# Altium PCB Watch-PCB.PcbDoc
Units mm, origin at the board's own origin, x right, y up, seen from the top; angles counter-clockwise.
Board outline 23.5 x 43.81 mm, 2 copper layers (Top Layer, Bottom Layer), stack 1.569 mm thick; 47 components, 53 nets, 214 pads, 299 vias.
Unrouted connection lines stored in the file: 40.
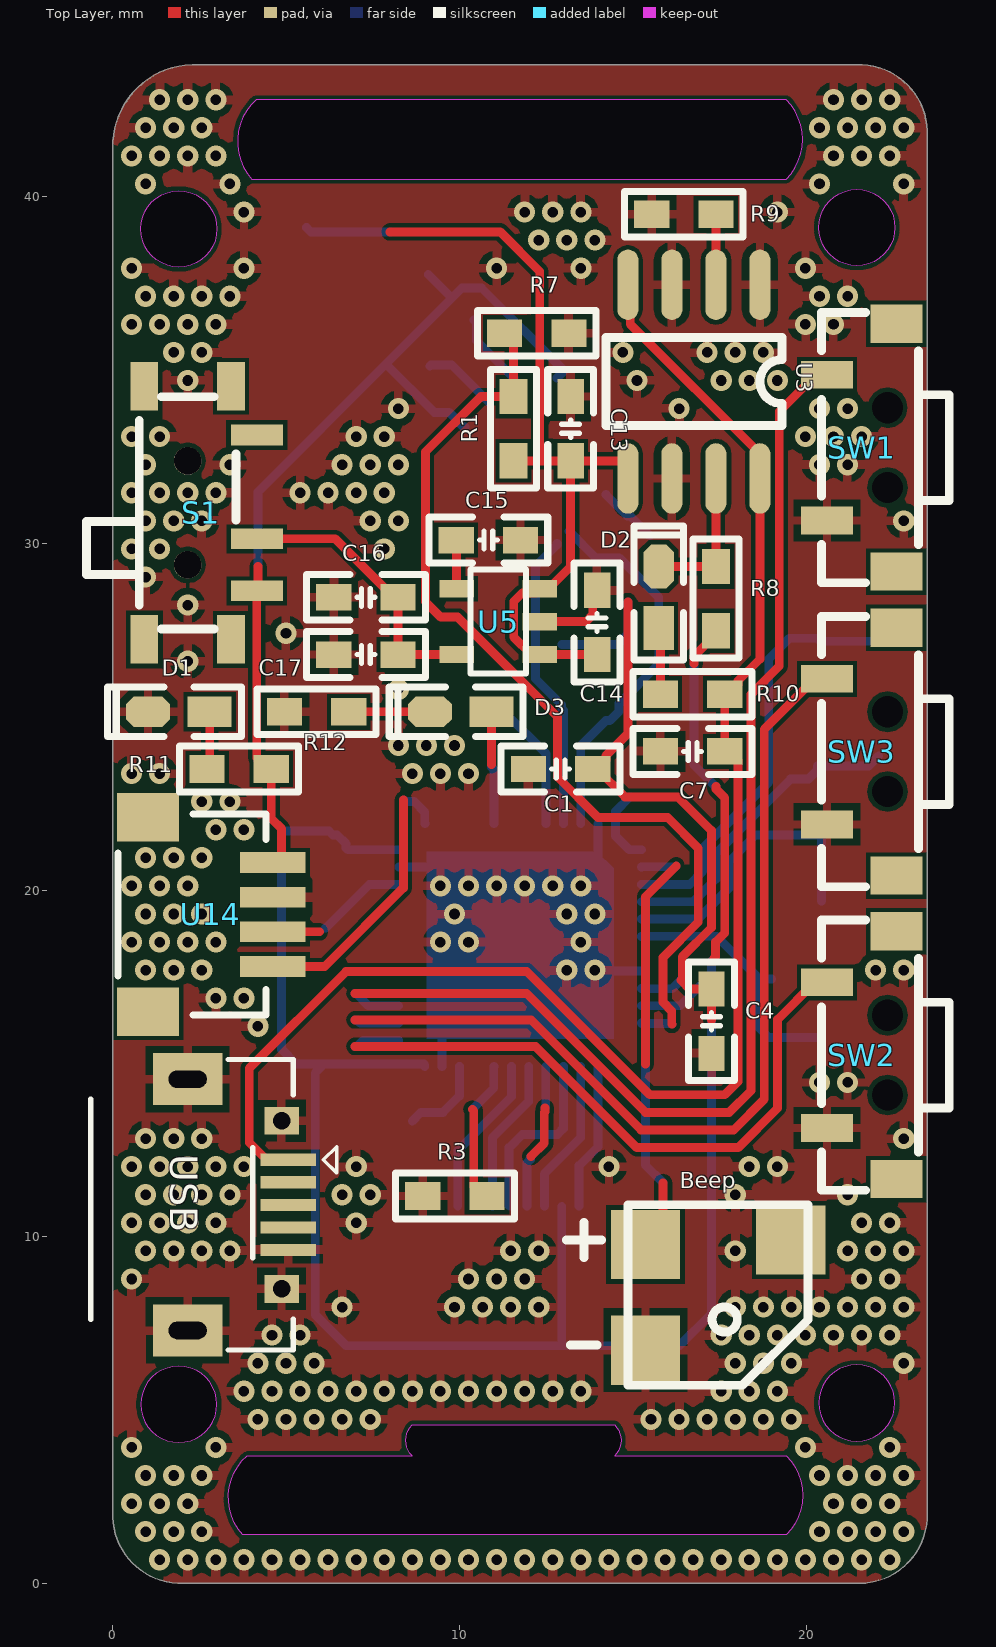
[diagram p0: Top Layer view]
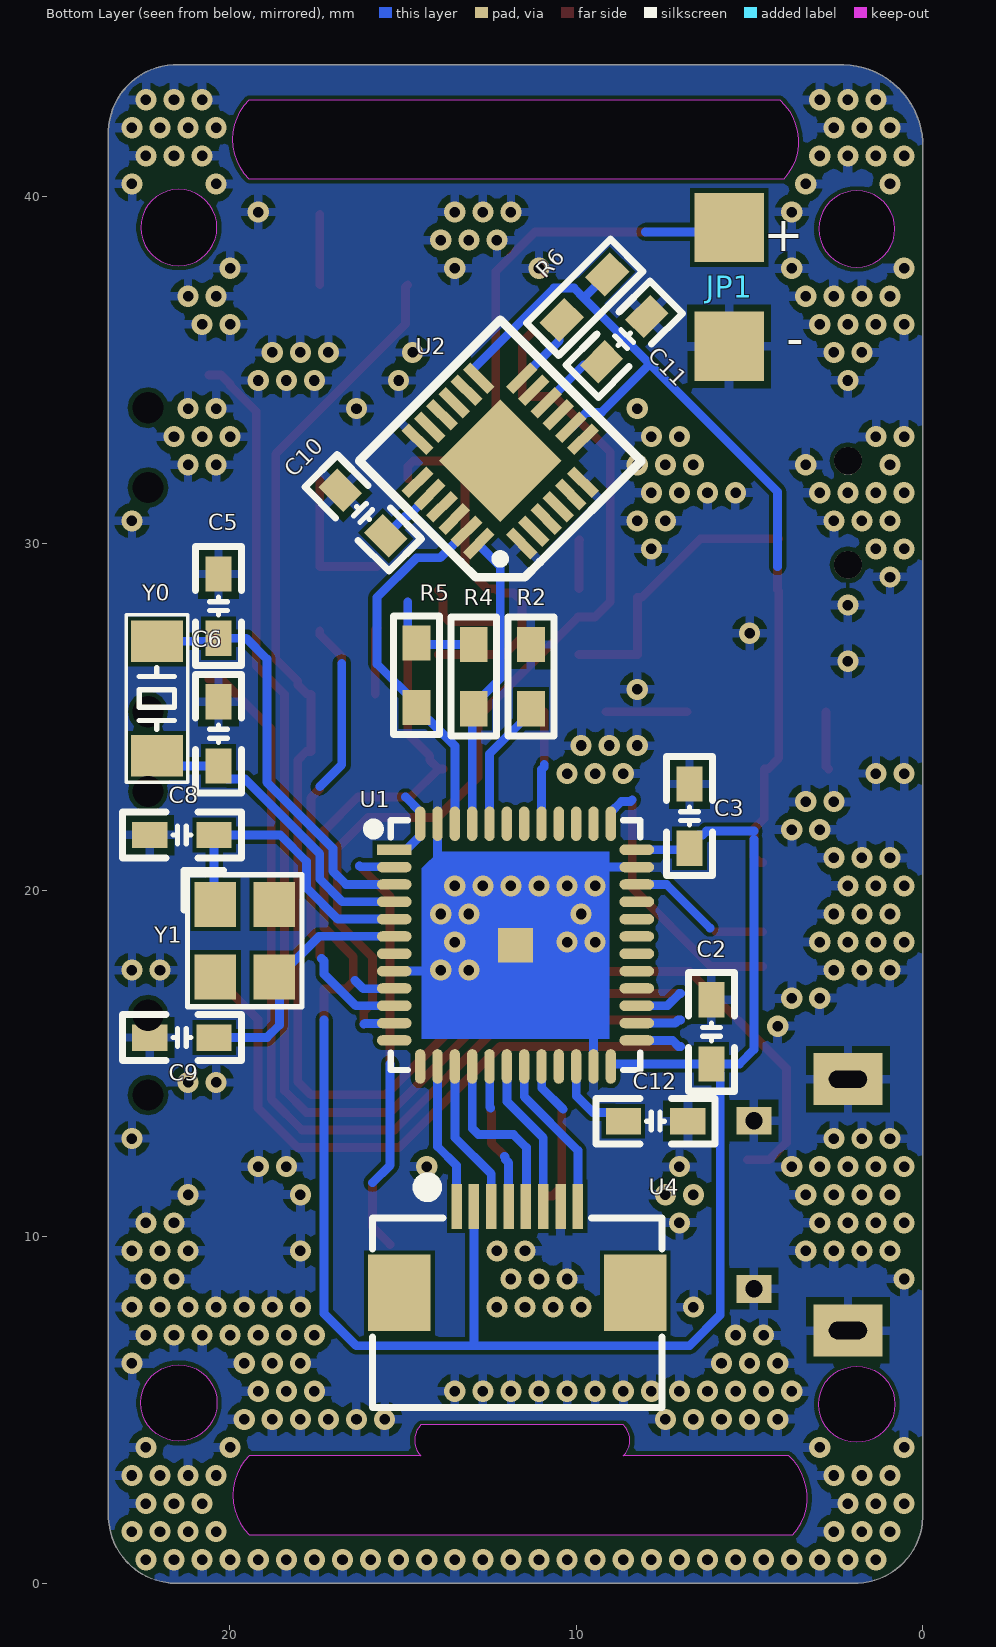
[diagram p1: Bottom Layer view, seen from below]
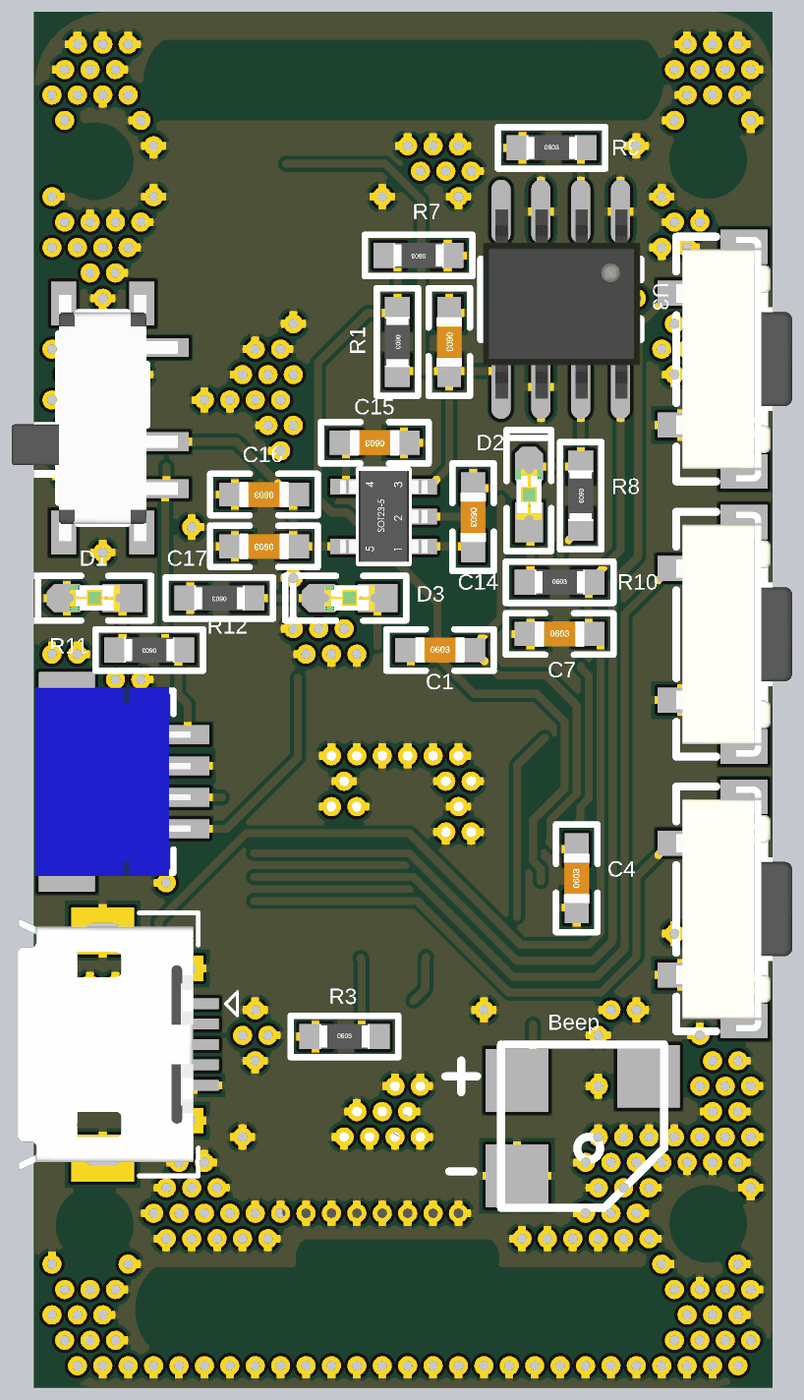
[diagram p2: 3D render of the assembled board from above, using the file's embedded part models]
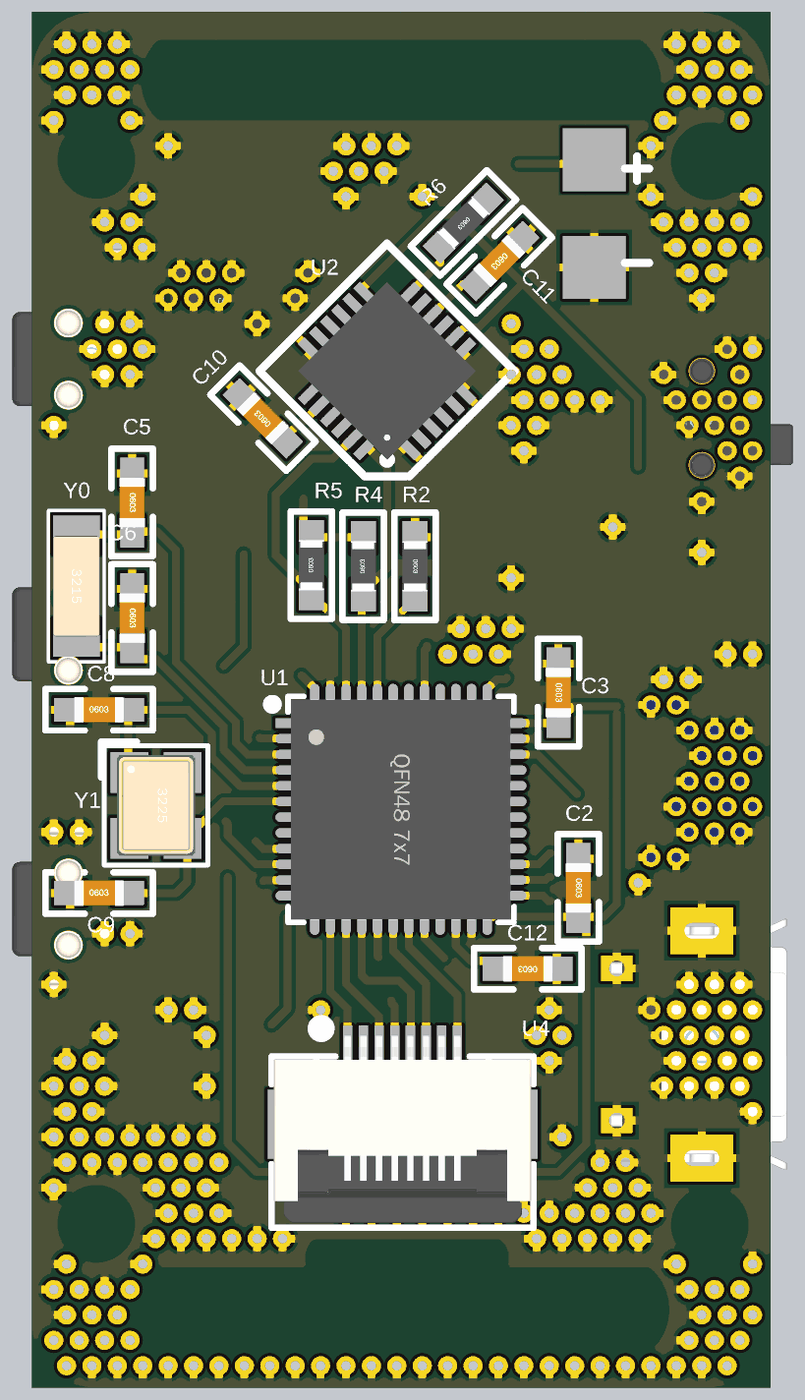
[diagram p3: 3D render of the assembled board from below, using the file's embedded part models]

## Layer stack, top to bottom
Top Solder: solder mask 0.0254, SM-001, Dk 4
Top Layer: signal copper 0.035
Dielectric 1: core 1.4986, Core-043, Dk 4.3
Bottom Layer: signal copper 0.035
Bottom Solder: solder mask 0.0254, SM-001, Dk 4

## Board outline
0,1.906 ccw(c1.968,1.97) 2.032,0.001 21.717,0.001 21.59,0.001 ccw(c21.526,1.97) 23.495,2.033 23.495,41.911 ccw(c21.526,41.848) 21.463,43.816 2.286,43.816 ccw(c2.349,41.467) 0,41.403
cut-out: 20.363,5.207 ccw(c21.463,5.207) 21.463,4.107 ccw(c21.463,5.207) 22.563,5.207 ccw(c21.463,5.207) 21.463,6.307 ccw(c21.463,5.207)
cut-out: 0.805,5.167 ccw(c1.905,5.167) 1.905,4.067 ccw(c1.905,5.167) 3.005,5.167 ccw(c1.905,5.167) 1.905,6.267 ccw(c1.905,5.167)
cut-out: 21.463,38.016 cw(c21.463,39.116) 20.363,39.116 cw(c21.463,39.116) 21.463,40.216 cw(c21.463,39.116) 22.563,39.116 cw(c21.463,39.116)
cut-out: 1.905,37.976 cw(c1.905,39.076) 0.805,39.076 cw(c1.905,39.076) 1.905,40.176 cw(c1.905,39.076) 3.005,39.076 cw(c1.905,39.076)
cut-out: 3.747,1.398 cw(c4.953,2.477) 3.874,3.684 8.636,3.683 cw(c9.081,4.127) 8.636,4.572 14.478,4.572 cw(c14.034,4.128) 14.478,3.683 19.431,3.684 cw(c18.288,2.541) 19.431,1.398
cut-out: 4.008,40.514 19.431,40.514 ccw(c18.288,41.657) 19.431,42.8 4.135,42.8 ccw(c5.214,41.594)

## Design rules (kind name [scope] priority, off if disabled: settings)
Clearance [All] p1: gap=0.127 ignorepadtopadclearanceinfootprint=FALSE
Height [All] p1: minheight=0 maxheight=1817.048 prefheight=12.7
PolygonConnect [All] p1: connectstyle=Relief reliefconductorwidth=0.254 reliefentries=4 polygonreliefangle="90 Angle" airgapwidth=0.204
RoutingVias [All] p1: holewidth=0.711 width=1.27 viastyle="Through Hole" minholewidth=0.711 minwidth=1.27 maxholewidth=0.711 maxwidth=1.27
SolderMaskExpansion [All] p1: expansion=0.102 istentingtop=FALSE
Width [All] p1: maxlimit=10 minlimit=0.254 preferedwidth=0.254 minimp=50.000000 maximp=50.000000 favimp=50.000000
29 further rules are at their usual default settings.

## Classes and differential pairs
component class Watch-Sheet: Beep C1 C2 C3 C4 C5 C6 C7 C8 C9 C10 C11 C12 C13 C14 C15 C16 C17 D1 D2 D3 JP1 R1 R2 R3 R4 R5 R6 R7 R8 R9 R10 R11 R12 S1 SW1 SW2 SW3

## Components (designator, comment, footprint, x,y, rotation, side; value= is the part's Value field where it differs from the comment)
Beep "2PIN" 5020beep 2.921,6.496 r180 top
C1 "100NF" "C 0603_M" 12.916,23.495 r0 top
C2 "100NF" "C 0603_M" 6.096,15.913 r270 bottom
C3 "100NF" "C 0603_M" 6.731,22.136 r270 bottom
C4 "100NF" "C 0603_M" 17.272,16.218 r90 top
C5 "22PF" "C 0603_M" 20.32,28.194 r270 bottom
C6 "22PF" "C 0603_M" 20.32,24.511 r270 bottom
C7 "10UF" "C 0603_M" 16.726,24.003 r0 top
C8 "22PF" "C 0603_M" 21.374,21.59 r180 bottom
C9 "22PF" "C 0603_M" 21.374,15.748 r180 bottom
C10 "2.2nf" "C 0603_M" 16.15,30.882 r45 bottom
C11 "0.1uF" "C 0603_M" 8.615,35.895 r315 bottom
C12 "Cap Chip 0603" "C 0603_M" 7.709,13.335 r0 bottom value=4.7uf
C13 "10UF" "C 0603_M" 13.208,33.312 r270 top
C14 "105" "C 0603_M" 13.97,27.724 r270 top
C15 "22nF" "C 0603_M" 10.833,30.099 r180 top
C16 "104" "C 0603_M" 7.302,28.448 r180 top
C17 "105" "C 0603_M" 7.302,26.797 r180 top
D1 "红色" "LED 0603R" 1.905,25.153 r180 top
D2 "绿色" "LED 0603R" 15.755,28.448 r90 top
D3 "红色" "LED 0603R" 10.033,25.153 r180 top
JP1 "2PIN" 2PIN -1.143,32.004 r270 top
R1 "10k" "R 0603_M" 11.557,33.312 r270 top
R2 "10K" "R 0603_M" 11.303,26.162 r270 bottom
R3 "10K" "R 0603_M" 9.868,11.176 r0 top
R4 "10k" "R 0603_M" 12.954,26.162 r90 bottom
R5 "10k" "R 0603_M" 14.605,26.2 r90 bottom
R6 "10K" "R 0603_M" 9.758,37.105 r315 bottom
R7 "10k" "R 0603_M" 12.23,36.068 r180 top
R8 "1K" "R 0603_M" 17.399,28.41 r270 top
R9 "1.2K" "R 0603_M" 16.472,39.497 r0 top
R10 "4.7K" "R 0603_M" 16.726,25.654 r0 top
R11 "1K" "R 0603_M" 3.645,23.495 r180 top
R12 "1K" "R 0603_M" 5.88,25.146 r180 top
S1 "MTS-10x" MSK-12C01-07 2.159,30.885 r270 top
SW1 "3x6x5" "TSW 3*6*4.3-S-W" 22.352,32.766 r90 top
SW2 "3x6x5" "TSW 3*6*4.3-S-W" 22.352,15.24 r90 top
SW3 "3x6x5" "TSW 3*6*4.3-S-W" 22.352,23.996 r90 top
U1 "STM32F411CEU6" "QFN48 7X7_M" 11.75,18.415 r270 bottom
U2 "MPU6050" QFN24 12.192,32.385 r45 bottom
U3 "TP4056" SOP8 18.694,37.44 r270 top
U4 "LCD" "FPC0.5 2H-WS-8P" 11.7,8.382 r180 bottom
U5 "RT9193" SOT23-5 12.319,26.797 r90 top
U14 "JLink" JLink -2.657,15.94 r0 top
Y0 "XTAL 3215 32.768kKHz" "OSC 3215-2P" 22.098,25.528 r270 bottom
Y1 "XTAL 3225 8M" "OSC 3225-4P" 19.558,18.542 r270 bottom
? "Micro USB" USB-micro_A 2.159,10.922 r270 top

## Footprints (in the part's own frame and the unit in brackets; to place one, negate y for a bottom-side part, rotate by r counter-clockwise, add the part's x,y. Pads: shape width x height; smd on the part's side, far side on the other; paste and mask are expansions set on the pad)
2PIN [mm]
  rect 2x2 smd far side: 1(-3.683,6.731) 2(-7.112,6.731)
5020beep [mm] "5020beep"
  rect 2x2 smd: 1(-12.446,-0.235) 2(-12.446,-3.283) " "(-16.637,-3.41)
  silkscreen extent -17.14,-4.43 -10.16,0.78, body extent -17.15,-4.36 -11.94,0.72, height 2.01
"C 0603_M" [mil] "无极性贴片电容"
  rect 40x30 smd: 1(-36.5,0) 2(36.5,0)
  silkscreen extent -68,-26 68,26, body extent -31,-16 31,16, height 32
"FPC0.5 2H-WS-8P" [mm] "长：8.2mm，宽：5.2mm，高：2mm"
  rect 1.8x2.2 smd: 0(-3.4,0) 0(3.4,0)
  rect 0.3x1.3 smd: 1(-1.75,2.497) 2(-1.25,2.497) 3(-0.75,2.497) 4(-0.25,2.497) 5(0.25,2.497) 6(0.75,2.497) 7(1.25,2.497) 8(1.75,2.497)
  silkscreen extent -4.18,-3.3 4.17,3.23, body extent -4.1,-3.15 4.1,2.85, height 2
JLink [mm]
  rect 1.8x1.4 smd: 0(3.673,0.558) 0(3.673,6.158)
  rect 1.9x0.6 smd: 1(7.273,4.858) 2(7.273,3.858) 3(7.273,2.858) 4(7.273,1.858)
  silkscreen extent 2.81,0.46 7.07,6.26, body extent 2.68,0.36 7.63,6.36, height 2.96
"LED 0603R" [mil] "红色0603LED"
  rect 50x35 smd: 1(-35,0.26)
  oct 50x35 smd: 2(35,0.26)
  silkscreen extent -71,-28 81,28, body extent -31,-16 31,16, height 18
MSK-12C01-07 [mm] "6.7*2.8*1.5mm(长宽高）"
  rect 1.4x0.8 smd: 0(-3.65,-1.25) 0(-3.65,1.25) 0(3.65,-1.25) 0(3.65,1.25)
  rect 0.6x1.5 smd: 1(-2.25,1.996) 2(0.75,1.996) 3(2.25,1.996)
  round 0.8 hole 0.8: " "(-1.5,0) " "(1.5,0)
  silkscreen extent -3.35,-2.92 3.35,1.4, body extent -3.92,-2.9 3.92,2.4, height 1.5
"OSC 3215-2P" [mm] "3.2*1.5*0.6mm(长宽高)"
  rect 1.2x1.5 smd: 1(-1.65,0) 2(1.65,0)
  silkscreen extent -2.41,-0.89 2.41,0.89, body extent -1.6,-0.75 1.6,0.75, height 0.61
"OSC 3225-4P" [mm] "3.2*2.5*0.7mm(长宽高)"
  rect 1.3x1.2 smd: 1(-1.05,-0.85) 2(1.05,-0.85) 3(1.05,0.85) 4(-1.05,0.85)
  silkscreen extent -2.03,-1.75 1.9,1.65, body extent -1.6,-1.25 1.6,1.25, height 0.7
QFN24 [mm] "4mm*4mm（蒜米工坊）"
  rect 1x0.3 smd: 1(-2.125,1.25) 2(-2.125,0.75) 3(-2.125,0.25) 4(-2.125,-0.25) 5(-2.125,-0.75) 6(-2.125,-1.25) 13(2.125,-1.25) 14(2.125,-0.75) 15(2.125,-0.25) 16(2.125,0.25) 17(2.125,0.75) 18(2.125,1.25)
  rect 0.3x1 smd: 7(-1.25,-2.125) 8(-0.75,-2.125) 9(-0.25,-2.125) 10(0.25,-2.125) 11(0.75,-2.125) 12(1.25,-2.125) 19(1.25,2.125) 20(0.75,2.125) 21(0.25,2.125) 22(-0.25,2.125) 23(-0.75,2.125) 24(-1.25,2.125)
  rect 2.5x2.5 smd: 25(0,0)
  silkscreen extent -2.88,-2.88 2.88,2.88, body extent -2,-2 2,2, height 0.9
"QFN48 7X7_M" [mm] "48脚，长x宽x高：7x7x1mm，脚距：0.5mm"
  rect 0.3x1 smd: 1(-2.75,-3.5)
  oval 0.3x1 smd: 2(-2.25,-3.5) 3(-1.75,-3.5) 4(-1.25,-3.5) 5(-0.75,-3.5) 6(-0.25,-3.5) 7(0.25,-3.5) 8(0.75,-3.5) 9(1.25,-3.5) 10(1.75,-3.5) 11(2.25,-3.5) 12(2.75,-3.5) 25(2.75,3.5) 26(2.25,3.5) 27(1.75,3.5) 28(1.25,3.5) 29(0.75,3.5) 30(0.25,3.5) 31(-0.25,3.5) 32(-0.75,3.5) 33(-1.25,3.5) 34(-1.75,3.5) 35(-2.25,3.5) 36(-2.75,3.5)
  oval 1x0.3 smd: 13(3.5,-2.75) 14(3.5,-2.25) 15(3.5,-1.75) 16(3.5,-1.25) 17(3.5,-0.75) 18(3.5,-0.25) 19(3.5,0.25) 20(3.5,0.75) 21(3.5,1.25) 22(3.5,1.75) 23(3.5,2.25) 24(3.5,2.75) 37(-3.5,2.75) 38(-3.5,2.25) 39(-3.5,1.75) 40(-3.5,1.25) 41(-3.5,0.75) 42(-3.5,0.25) 43(-3.5,-0.25) 44(-3.5,-0.75) 45(-3.5,-1.25) 46(-3.5,-1.75) 47(-3.5,-2.25) 48(-3.5,-2.75)
  rect 1x1 smd: 49(0,0)
  Top Layer region: -2.7,2.7 2.7,2.7 2.7,-2.7 -2.214,-2.7 -2.7,-2.214
  silkscreen extent -3.6,-4.25 3.6,3.6, body extent -3.51,-3.51 3.51,3.51, height 0.95
"R 0603_M" [mil] "1/10W贴片电阻"
  rect 40x31.5 smd: 1(-36.5,0) 2(36.5,0)
  silkscreen extent -68,-26 68,26, body extent -31,-16 31,16, height 16
SOP8 [mil] "（蒜米工坊）"
  oval 80x24 smd: 1(-1,-1) 2(-1,-51) 3(-1,-101) 4(-1,-151) 5(219,-151) 6(219,-101) 7(219,-51) 8(219,-1)
  silkscreen extent 59,-176 159,24, body extent -4,-174 234,24, height 63
SOT23-5 [mm]
  rect 0.5x1 smd: 1(0,0) 2(0.95,0) 3(1.9,0) 4(1.9,2.4) 5(0,2.4)
  silkscreen extent -0.55,0.4 2.45,2, body extent -0.5,-0.2 2.4,2.6, height 1.09
"TSW 3*6*4.3-S-W" [mm] "侧立贴片3*6*4.3"
  rect 1.1x1.5 smd: 0(-3.575,-0.25) 0(3.575,-0.25)
  round 0 hole 0.9: 0(-1.15,0) 0(1.15,0)
  rect 0.8x1.5 smd: 1(2.1,1.75) 2(-2.1,1.75)
  silkscreen extent -3.9,-1.78 3.9,1.91, body extent -3.9,-1.79 3.9,1.91, height 3.51
USB-micro_A [mm] "micro型USB ，5.7*7.8*2.5mm"
  rect 0.35x1.6 smd: 1(-1.3,2.9) 2(-0.65,2.9) 3(0,2.9) 4(0.65,2.9) 5(1.3,2.9)
  rect 1.5x2 hole 0.5 slot 1.1 at 90 deg: 5(-3.625,0) 5(3.625,0)
  rect 0.8x1 hole 0.5: 5(-2.425,2.71) 5(2.425,2.71)
  silkscreen extent -4.19,-2.79 4.19,4.3, body extent -4,-2.71 4,2.89, height 2.8

## Part data
C1 C2 C3 C4 C5 C6 C7 C8 C9 C13 C14 C15 C16 C17: library part "0402 CAP"
C10 C11: library part C, "无极性贴片电容", BOM名称=无极性贴片电容, 学习资源=www.ooocke.com, 版权归属=源创客
C12: "Polarized Capacitor (Radial)", Published=8-Jun-2000, Publisher="Altium Limited", Revision="July-2002: Re-released for DXP Platform."
D1 D2 D3: library part LED-SMD, "贴片LED", BOM名称=贴片LED, 学习资源=www.ooocke.com, 版权归属=源创客
R1 R4 R5 R6 R7 R8 R9 R10 R11 R12: library part R, "贴片电阻", BOM名称=贴片电阻, 学习资源=www.ooocke.com, 版权归属=源创客
R2 R3: library part "0402 RES"
S1: "MTS10x系列3脚扭子开关", BOM名称=MTS10x系列3脚扭子开关, 学习资源=www.ooocke.com, 版权归属=源创客
SW1 SW2 SW3: library part "TSW 3x6", "3x6轻触开关", BOM名称=3x6轻触开关, 学习资源=www.ooocke.com, 版权归属=源创客
U1: library part STM32F401CCU6
U4: "屏幕接口"
U5: library part mic5205

## Via types
v1: diameter 0.61, hole 0.305, Top Layer to Bottom Layer, 299 vias

## Nets (pads, with @x,y where several pads share a name; then routed paths per layer and width w, separated by ;. In a path a pad name is that pad's centre, name@x,y a point inside that pad or via, vN(x,y) a via of type N, cw(c..) or ccw(c..) an arc to the next point about the centre after c; other vN are vias at no path point)
3V3: C1.2 C2.2 C3.2 C4.2 R4.2 R5.2 R6.1 R11.1 S1.3 U1.1 U1.9 U1.24 U1.36 U1.48 U2.8 U2.13 U4.2 U14.1 | length 96.2
  Top Layer w0.254: 4.191,29.337 4.191,28.671 S1.3 4.155,23.804 4.464,23.495 R11.1 4.572,22.067 4.87,21.77 4.87,21.703 4.87,20.971 4.697,20.798 U14.1 ; C1.2 C1.2@13.97,23.495 ; 14.859,28.321 14.859,24.511 14.224,23.876 14.224,23.749 C1.2@13.97,23.495 ; 16.391,17.399 16.645,17.145 C4.2 17.272,16.256 ; 16.43,17.438 16.43,18.081 17.272,18.923 17.272,21.717 16.303,22.686 14.921,22.686 14.779,22.686 C1.2@13.97,23.495
  Bottom Layer w0.254: 4.191,29.337 4.191,31.496 7.874,35.179 ; 4.87,21.463 4.87,15.407 5.29,14.986 C2.2 ; 4.87,21.703 6.237,21.703 6.35,21.59 6.477,21.59 6.731,21.336 C3.2 6.775,21.165 U1.36 ; U1.24 9,14.965 8.979,14.986 C2.2 ; R6.1 9.779,37.084 ; U2.8 10.127,33.357 9.702,33.782 9.271,33.782 7.874,35.179 ; U2.13 13.006,34.967 13.006,35 10.636,37.37 10.065,37.37 9.779,37.084 ; 12.95,6.858 U4.2 ; R4.2 14.567,27.089 14.859,27.381 14.859,28.321 ; 14.921,22.686 14.5,22.265 U1.48 14.5,21.565 14.9,21.165 U1.1 ; U1.9 15.259,17.156 16.14,17.156 16.383,17.399 ; 17.272,16.256 17.272,7.784 16.346,6.858 6.731,6.858 5.842,7.747 5.842,14.732 C2.2 ; 7.874,35.179 9.779,37.084
5V: ?.1 C7.2 R10.2 U3.4 U3.8 | length 45.6
  Top Layer w0.254: ?.1 4.434,12.222 3.937,12.719 3.937,14.859 6.731,17.653 11.938,17.653 15.494,14.097 17.653,14.097 18.034,14.478 18.034,23.749 17.78,24.003 C7.2 R10.2 17.761,25.654 18.034,25.927 18.034,26.035 18.669,26.67 U3.8 18.669,32.588 14.927,36.33 14.927,37.397 U3.4
BAT_CHG: R8.2 U1.10 | length 13.1
  Top Layer w0.254: 16.764,26.543 16.764,26.74 17.399,27.375 R8.2 ; 17.343,18.03 17.39,18.077 17.39,18.503 17.653,18.765 17.653,22.666 17.399,22.92 17.399,22.987
  Bottom Layer w0.254: U1.10 16.362,16.665 17.272,17.575 17.272,17.959 17.343,18.03 ; 16.764,26.543 16.764,23.622 17.399,22.987
BAT_VOL: R1.1 R7.2 U1.11 | length 27.8
  Top Layer w0.254: R7.2 11.557,35.814 R1.1 10.617,34.239 9.017,32.639 9.017,28.321 9.461,27.877 9.949,27.877 12.827,24.998 12.827,23.263 13.992,22.098 16.002,22.098 16.891,21.209 16.891,19.081 15.875,18.065 15.875,16.764 16.127,16.512 16.127,16.131 16.129,16.129
  Bottom Layer w0.254: U1.11 15.259,16.156 16.102,16.156 16.129,16.129
Beep: Beep.2 U1.2 | length 12.7
  Top Layer w0.254: Beep.2 15.875,10.287 15.875,11.557 ; 15.367,14.986 15.367,19.812 16.252,20.697 16.252,20.701
  Bottom Layer w0.254: U1.2 15.259,20.674 16.225,20.674 16.252,20.701 ; 15.367,14.986 15.367,12.065 15.875,11.557
BOOT0: R2.2 U1.44 | length 3.8
  Bottom Layer w0.254: R2.2 11.303,25.127 12.5,23.93 U1.44
BOOT1: R3.2 U1.20 | length 4.2
  Top Layer w0.254: 10.375,13.677 10.414,13.638 10.414,11.449 10.687,11.176 R3.2
  Bottom Layer w0.254: 10.375,13.677 10.991,14.293 10.991,14.906 U1.20
GND: ?.5 Beep.1 C1.1 C2.1 C3.1 C4.1 C5.1 C6.1 C7.1 C8.1 C9.1 C10.2 C11.1 C12.1 C13.1 C14.1 C15.1 C16.2 C17.2 D1.2 JP1.1 R2.1 R3.1 R7.1 R9.1 R12.2 SW1.2 SW2.2 SW3.2 U1.8 U1.23 U1.35 U1.47 U1.49 U2.1 U2.6 U2.7 U2.9 U2.11 U2.18 U2.25 U3.1 U3.3 U3.6 U4.7 U5.2 U14.2 | length 7.6
  Top Layer w0.254: U5.2 13.65,27.747 13.843,27.94 13.843,28.524 C14.1
  Bottom Layer w0.254: U1.35 9.362,20.665 9.398,20.701 ; 9.398,16.383 9.5,16.281 U1.23 ; 13.843,20.701 14,20.858 U1.47 ; v1@13.97,17.653 13.982,17.665 U1.8
  other v1: 1.352,0.683 2.162,0.683 2.972,0.683 3.782,0.683 4.592,0.683 5.402,0.683 6.212,0.683 7.022,0.683 7.832,0.683 8.642,0.683 9.452,0.683 10.262,0.683 11.072,0.683 11.882,0.683 12.692,0.683 13.502,0.683 14.312,0.683 15.122,0.683 15.932,0.683 16.742,0.683 17.552,0.683 18.362,0.683 19.172,0.683 19.982,0.683 20.792,0.683 21.602,0.683 22.412,0.683 0.947,1.493 1.757,1.493 2.567,1.493 20.387,1.493 21.197,1.493 22.007,1.493 22.817,1.493 0.542,2.303 1.352,2.303 2.162,2.303 20.792,2.303 21.602,2.303 22.412,2.303 0.947,3.113 1.757,3.113 2.567,3.113 20.387,3.113 21.197,3.113 22.007,3.113 22.817,3.113 0.542,3.923 2.972,3.923 19.982,3.923 22.412,3.923 4.187,4.733 4.997,4.733 5.807,4.733 6.617,4.733 7.427,4.733 15.527,4.733 16.337,4.733 17.147,4.733 17.957,4.733 18.767,4.733 19.577,4.733 3.782,5.543 4.592,5.543 5.402,5.543 6.212,5.543 7.022,5.543 7.832,5.543 8.642,5.543 9.452,5.543 10.262,5.543 11.072,5.543 11.882,5.543 12.692,5.543 13.502,5.543 17.552,5.543 18.362,5.543 19.172,5.543 4.187,6.353 4.997,6.353 5.807,6.353 17.957,6.353 18.767,6.353 19.577,6.353 22.817,6.353 4.592,7.163 5.402,7.163 17.552,7.163 18.362,7.163 19.172,7.163 19.982,7.163 20.792,7.163 21.602,7.163 22.412,7.163 6.617,7.973 9.857,7.973 10.667,7.973 11.477,7.973 12.287,7.973 17.957,7.973 18.767,7.973 19.577,7.973 20.387,7.973 21.197,7.973 22.007,7.973 22.817,7.973 0.542,8.783 10.262,8.783 11.072,8.783 11.882,8.783 21.602,8.783 22.412,8.783 0.947,9.593 1.757,9.593 2.567,9.593 3.377,9.593 11.477,9.593 12.287,9.593 17.957,9.593 21.197,9.593 22.007,9.593 22.817,9.593 0.542,10.403 1.352,10.403 2.162,10.403 2.972,10.403 7.022,10.403 21.602,10.403 22.412,10.403 0.947,11.213 1.757,11.213 2.567,11.213 3.377,11.213 6.617,11.213 7.427,11.213 17.957,11.213 21.197,11.213 0.542,12.023 1.352,12.023 2.162,12.023 2.972,12.023 3.782,12.023 7.022,12.023 14.312,12.023 18.362,12.023 19.172,12.023 0.947,12.833 1.757,12.833 2.567,12.833 22.817,12.833 20.387,14.453 21.197,14.453 4.187,16.073 2.972,16.883 3.782,16.883 0.947,17.693 1.757,17.693 2.567,17.693 13.097,17.693 13.907,17.693 22.007,17.693 22.817,17.693 0.542,18.503 1.352,18.503 2.162,18.503 2.972,18.503 9.452,18.503 10.262,18.503 13.502,18.503 0.947,19.313 1.757,19.313 2.567,19.313 9.857,19.313 13.097,19.313 13.907,19.313 0.542,20.123 1.352,20.123 2.162,20.123 9.452,20.123 10.262,20.123 11.072,20.123 11.882,20.123 12.692,20.123 13.502,20.123 0.947,20.933 1.757,20.933 2.567,20.933 2.972,21.743 3.782,21.743 2.567,22.553 3.377,22.553 0.542,23.363 1.352,23.363 8.642,23.363 9.452,23.363 10.262,23.363 8.237,24.173 9.047,24.173 9.857,24.173 8.237,25.793 2.162,26.603 4.997,27.413 2.162,28.223 0.947,29.033 0.542,29.843 1.352,29.843 7.832,29.843 0.947,30.653 1.757,30.653 2.567,30.653 7.427,30.653 8.237,30.653 22.817,30.653 0.542,31.463 1.352,31.463 2.162,31.463 2.972,31.463 5.402,31.463 6.212,31.463 7.022,31.463 7.832,31.463 0.947,32.273 3.377,32.273 6.617,32.273 7.427,32.273 8.237,32.273 20.387,32.273 21.197,32.273 0.542,33.083 1.352,33.083 7.022,33.083 7.832,33.083 19.982,33.083 20.792,33.083 21.602,33.083 8.237,33.893 16.337,33.893 20.387,33.893 21.197,33.893 2.162,34.703 15.122,34.703 17.552,34.703 18.362,34.703 19.172,34.703 1.757,35.513 2.567,35.513 14.717,35.513 17.147,35.513 17.957,35.513 18.767,35.513 0.542,36.323 1.352,36.323 2.162,36.323 2.972,36.323 19.982,36.323 20.792,36.323 0.947,37.133 1.757,37.133 2.567,37.133 3.377,37.133 20.387,37.133 21.197,37.133 0.542,37.943 3.782,37.943 11.072,37.943 13.502,37.943 19.982,37.943 12.287,38.753 13.097,38.753 13.907,38.753 3.782,39.563 11.882,39.563 12.692,39.563 13.502,39.563 19.172,39.563 0.947,40.373 3.377,40.373 20.387,40.373 22.817,40.373 0.542,41.183 1.352,41.183 2.162,41.183 2.972,41.183 20.792,41.183 21.602,41.183 22.412,41.183 0.947,41.993 1.757,41.993 2.567,41.993 20.387,41.993 21.197,41.993 22.007,41.993 22.817,41.993 1.352,42.803 2.162,42.803 2.972,42.803 20.792,42.803 21.602,42.803 22.412,42.803
KEY1: SW1.1 U1.27 | length 36.3
  Top Layer w0.254: 6.985,17.018 11.938,17.018 15.367,13.589 17.784,13.589 18.415,14.22 18.415,25.654 19.228,26.467 19.228,33.809 19.979,34.56 19.979,34.593 20.252,34.866 SW1.1
  Bottom Layer w0.254: 6.985,17.018 7.016,17.018 7.369,16.665 U1.27
KEY2: SW2.1 U1.25 | length 19.6
  Top Layer w0.254: 6.985,15.494 12.192,15.494 15.113,12.573 18.038,12.573 19.177,13.712 19.177,16.265 20.252,17.34 SW2.1
  Bottom Layer w0.254: 6.985,15.494 7.052,15.494 7.223,15.665 U1.25
KEY3: SW3.1 U1.26 | length 27.9
  Top Layer w0.254: 6.985,16.256 12.065,16.256 15.24,13.081 17.911,13.081 18.796,13.966 18.796,24.64 20.252,26.096 SW3.1
  Bottom Layer w0.254: 6.985,16.256 7.052,16.256 7.143,16.165 U1.26
LCD_BLK: U1.19 U4.8 | length 4.7
  Bottom Layer w0.254: U4.8 9.95,12.49 11.5,14.04 U1.19
LCD_CS: U1.14 U4.1 | length 4.3
  Bottom Layer w0.254: U4.1 13.45,12.053 14,12.603 U1.14
LCD_DC: U1.16 U4.5 | length 5.3
  Bottom Layer w0.254: U4.5 11.434,10.895 11.434,12.573 11.811,12.95 11.811,12.954 12.827,12.954 13,13.127 U1.16
LCD_RES: U1.18 U4.6 | length 4.5
  Bottom Layer w0.254: U4.6 10.95,12.855 12,13.905 U1.18
LCD_SCL: U1.15 U4.3 | length 4.5
  Bottom Layer w0.254: U4.3 12.45,11.815 13.5,12.865 U1.15
LCD_SDA: U1.17 U4.4 | length 4.3
  Top Layer w0.254: 12.065,12.319 12.446,12.7 12.446,13.589 12.466,13.609 12.466,13.712
  Bottom Layer w0.254: U4.4 11.95,12.137 12.046,12.233 12.046,12.3 12.065,12.319 ; 12.466,13.712 12.491,13.738 12.491,14.906 U1.17
LED: D3.1 U1.41 | length 3.3
  Top Layer w0.254: 10.922,23.622 D3.1
  Bottom Layer w0.254: 10.922,23.622 10.922,23.555 11,23.477 U1.41
MPU_INT: R6.2 U2.12 | length 2.2
  Bottom Layer w0.254: R6.2 10.49,36.373 10.49,35.854 U2.12
MPU_SCL: R5.1 U1.46 U2.23 | length 10.9
  Bottom Layer w0.254: U2.23 13.925,29.591 14.605,29.591 15.748,28.448 15.748,26.524 14.605,25.381 14.605,25.165 14.332,24.892 14.224,24.892 13.5,24.168 U1.46
MPU_SDA: R4.1 U1.45 U2.24 | length 8.7
  Bottom Layer w0.254: U2.24 12.816,29.993 12.816,29.961 12.192,29.337 12.192,26.105 12.954,25.343 R4.1 13,25.189 U1.45
NetC10_1: C10.1 U2.20 | length 1.8
  Bottom Layer w0.254: U2.20 14.852,30.785 14.935,30.785 C10.1
NetC11_2: C11.2 U2.10 | length 2.2
  Bottom Layer w0.254: C11.2@9.144,35.113 9.181,35.15 9.781,35.15 U2.10
NetC15_2: C15.2 U5.4 | length 1.4
  Top Layer w0.254: C15.2 9.919,30.086 U5.4
NetD1_1: D1.1 R11.2 | length 1.7
  Top Layer w0.254: R11.2 2.794,23.571 D1.1
NetD2_1: D2.1 R10.1 | length 1.9
  Top Layer w0.254: D2.1 15.799,27.508 R10.1
NetD2_2: D2.2 R8.1 U3.7 | length 4.2
  Top Layer w0.254: D2.2 R8.1 U3.7
NetD3_2: D3.2 R12.1 | length 2.3
  Top Layer w0.254: R12.1 D3.2
NetR9_2: R9.2 U3.2 | length 2
  Top Layer w0.254: U3.2 R9.2
NRST: U1.7
PA2: U1.12
PA3: U1.13
PA8: U1.29
PA9: U1.30
PA10: U1.31
PA11: U1.32
PA12: U1.33
PA13: U1.34 U14.3 | length 4
  Top Layer w0.254: U14.3 5.962,18.798
  Bottom Layer w0.254: 6.14,18.909 7.396,20.165 U1.34
PA14: U1.37 U14.4 | length 8.4
  Top Layer w0.254: U14.4 6.114,17.798 8.382,20.066 8.382,22.606
  Bottom Layer w0.254: 8.382,22.606 8.429,22.559 8.694,22.559 9,22.253 U1.37 U1.37@9.009,21.924
PA15: U1.38
PB3: U1.39
PB4: U1.40
PB6: U1.42
PB7: U1.43
PB10: U1.21
PB15: U1.28
PC14: C5.2 U1.3 Y0.1 | length 12.3
  Bottom Layer w0.254: U1.3 16.637,20.165 17.018,20.546 17.018,21.209 18.923,23.114 18.923,26.67 19.52,27.267 C5.2 20.409,27.178 Y0.1
PC15: C6.2 U1.4 Y0.2 | length 9.1
  Bottom Layer w0.254: U1.4 16.744,19.665 17.399,20.32 17.399,21.051 19.551,23.203 20.066,23.203 20.32,23.457 C6.2 21.804,23.584 Y0.2
PH0: C8.2 U1.5 Y1.1 | length 8.6
  Bottom Layer w0.254: U1.5 16.879,19.165 17.78,20.066 17.78,20.828 18.542,21.59 C8.2 Y1.1@20.447,19.685
PH1: C9.2 U1.6 Y1.3 | length 7.7
  Bottom Layer w0.254: U1.6 15.254,18.669 17.417,18.669 18.56,17.526 18.56,16.111 18.923,15.748 C9.2 ; Y1.3@18.521,17.433 Y1.3@19.011,17.433
VCAP1: C12.2 U1.22 | length 2.5
  Bottom Layer w0.254: C12.2 8.89,13.589 9.525,13.589 10,14.064 U1.22
VIN: C13.2 C14.2 JP1.2 R1.2 U3.5 U5.1 U5.3 | length 25.2
  Top Layer w0.254: 8.001,38.989 11.176,38.989 12.319,37.846 12.319,32.448 12.383,32.385 ; R1.2 12.383,32.385 ; C14.2 U5.1 12.069,26.797 11.565,27.301 11.565,28.327 11.812,28.574 12.196,28.574 U5.3 12.569,28.697 13.208,29.336 C13.2 ; U3.5 14.859,32.221 14.695,32.385 C13.2 ; 12.383,32.385 C13.2
  Bottom Layer w0.254: JP1.2 5.715,38.989 8.001,38.989
VOUT: C16.1 C17.1 S1.2 U5.5 | length 8.1
  Top Layer w0.254: S1.2 6.416,30.135 8.103,28.448 C16.1 C17.1 U5.5
pads on no net: "Beep. " "S1. " ?.2 ?.3 ?.4 S1.0 S1.1 SW1.0 SW2.0 SW3.0 U2.2 U2.3 U2.4 U2.5 U2.14 U2.15 U2.16 U2.17 U2.19 U2.21 U2.22 U4.0 U14.0 Y1.2 Y1.4

## Polygon pours and split planes (outlines as drawn)
GND on Top Layer "GND_L01_P002" (solid, remove dead copper, pour order 2): 0,1.906 ccw(c1.968,1.97) 2.032,0.001 21.59,0.001 ccw(c21.526,1.97) 23.495,2.033 23.495,41.911 ccw(c21.526,41.848) 21.463,43.816 2.286,43.816 ccw(c2.349,41.467) 0,41.403
GND on Bottom Layer "GND_L02_P003" (solid, remove dead copper, pour order 3): 0,1.906 ccw(c1.968,1.97) 2.032,0.001 21.59,0.001 ccw(c21.526,1.97) 23.495,2.033 23.495,41.911 ccw(c21.526,41.848) 21.463,43.816 2.286,43.816 ccw(c2.349,41.467) 0,41.403

## Silkscreen, mask and mechanical layers (free items; w line width, h text height)
Bottom Overlay:
  text "+" at 3.429,38.439 h1.02
  text "-" at 3.429,35.433 h1.02
Mechanical 13:
  circle w0.254: c21.463,5.207 r1.1
  circle w0.254: c21.463,39.116 r1.1
  circle w0.254: c1.905,39.076 r1.1
  circle w0.254: c1.905,5.167 r1.1
  lines w0.254: 3.81,1.397 cw(c5.016,2.476) 3.937,3.683 8.763,3.683 cw(c9.207,4.127) 8.763,4.572 ; 3.81,1.398 19.558,1.398 ; 8.89,4.572 14.605,4.572 cw(c14.16,4.127) 14.605,3.683 ; 14.605,3.684 19.558,3.684 ; 19.558,1.397 ccw(c18.412,2.54) 19.558,3.683 ; 21.59,0.001 ccw(c21.526,1.97) 23.495,2.033 23.495,41.911 ccw(c21.526,41.848) 21.463,43.816 2.286,43.816 ; 21.717,0.001 2.032,0.001 cw(c1.968,1.97) 0,1.906 0,41.403 cw(c2.349,41.467) 2.286,43.816 ; 2.286,43.816 ccw(c2.126,41.69) 2.286,43.816 ; 4.008,40.514 cw(c5.214,41.594) 4.135,42.8 4.318,42.8 19.431,42.8 cw(c18.288,41.657) 19.431,40.514 4.008,40.514

## Text inside footprints (layer, text, board x,y; h text height)
?: Top Overlay "USB" at 1.651,12.377 h0.8 r270